# Altium PCB PCB Sheet01.PcbDoc (continued)
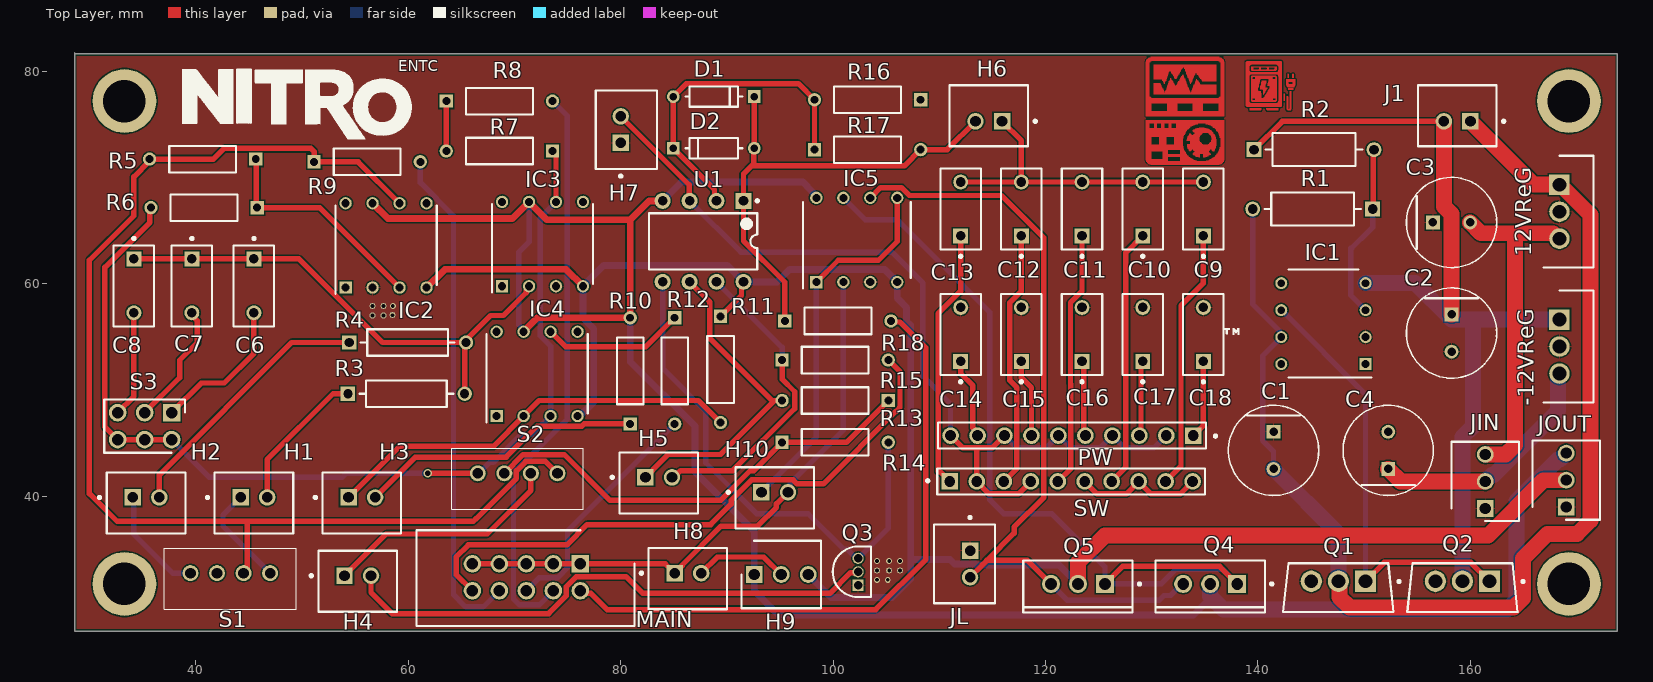
[diagram p0: Top Layer view]
## Part data (continued)
Q4: library part CMP-1048-01124-1, "Complementary Silicon Plastic Power Transistor, 3-Pin TO-220, Tube", Manufacturer="On Semiconductor", ComponentLink1Description="Manufacturer URL", ComponentLink1URL=http://www.onsemi.com/, ComponentLink2Description=Datasheet, ComponentLink2URL=http://www.onsemi.com/pub_link/Collateral/TIP31A-D.PDF, ComponentLink3Description="Package Specification", ComponentLink3URL=http://www.onsemi.com/pub_link/Collateral/221A-09.PDF, DatasheetVersion="Rev. 14", fT Min (MHz)=3, IC Continuous (A)=3, Mounting Technology="Through Hole", PackageDescription="3-Pin Flange Mount, Vertical Straight Lead, Body 9.97 x 4.445 mm, Pitch 2.54 mm", PackageReference=TO-220-3-221A-09, PackageVersion="Rev. AG, 09/2011", Packing=Tube, PartNumber=TIP31A, Polarity=NPN, RoHS=FALSE
Q5: library part CMP-1048-01079-1, "Complementary Silicon Plastic Power Transistor, 3-Pin TO-220, Tube", Manufacturer="On Semiconductor", ComponentLink1Description="Manufacturer URL", ComponentLink1URL=http://www.onsemi.com/, ComponentLink2Description=Datasheet, ComponentLink2URL=http://www.onsemi.com/pub_link/Collateral/TIP31A-D.PDF, ComponentLink3Description="Package Specification", ComponentLink3URL=http://www.onsemi.com/pub_link/Collateral/221A-09.PDF, DatasheetVersion="Rev. 14", fT Min (MHz)=3, IC Continuous (A)=3, Mounting Technology="Through Hole", PackageDescription="3-Pin Flange Mount, Vertical Straight Lead, Body 9.97 x 4.445 mm, Pitch 2.54 mm", PackageReference=TO-220-3-221A-09, PackageVersion="Rev. AG, 09/2011", Packing=Tube, PartNumber=TIP32A, Polarity=PNP, RoHS=FALSE
R1 R2: library part CMP-03212-000008-1, "RES 100K OHM 5% 1W AXIAL", Case/Package=Metal, Max Operating Temperature=155°C, Min Operating Temperature=-55°C, Number of Resistors=1, Package Quantity=5000, Power Rating=1W, Resistance=100kR, Resistor Type="Power resistor", Temperature Coefficient=300ppm/°C, Tolerance=5%, Voltage Rating=350V, Diameter=2.6mm, ELV=Compliant, Length=6.8mm, Mount=Axial, Number of Terminations=2, Packaging="Ammo Pack", RoHS Compliant=Yes, Series=RR, Termination=Axial
R3 R4: library part CMP-00030-41139779-1, "RLR07C7501GSB14 Res Metal Film 7.5K Ohm 2% 1/4W ±100ppm/°C 0.001% Conformal AXL Thru-Hole Bulk", Case/Package=Axial, Max Operating Temperature=150°C, Max Power Dissipation=250mW, Min Operating Temperature=-65°C, Resistance=7.5kΩ, Temperature Coefficient=100ppm/°C, Tolerance=2%, Voltage Rating=250V, Composition="Metal Film", Contact Plating="Lead, Tin", Diameter=2.29mm, Failure Rate=0.001%, Features="Military, Moisture Resistant, Weldable", Height=2.5mm, Lead Free="Contains Lead", Length=7.62mm, Military Standard=MIL-PRF-39017, Mount="Through Hole", NexarPartId=41139779, Number of Terminations=2, Packaging=Bulk, Power Rating=250mW, RoHS=Non-Compliant, Schedule B="8533210090, 8533210090", Termination=Axial, Voltage Rating (DC)=250V, Width=2.29mm
R5 R6 R7 R8 R9 R10 R11 R12 R13 R14 R15 R16 R17 R18: library part CMP-02408-000035-1, "RES 10K OHM 0.6W 1% AXIAL", Case/Package=Conformal, Max Operating Temperature=155°C, Max Power Dissipation=600mW, Min Operating Temperature=-55°C, Resistance=10kR, Resistance Tolerance=1%, Resistor Type="Metal Film", Temperature Coefficient=50ppm/°C, Voltage Rating=300V, Construction=Cylindrical, Contact Plating=Tin, Diameter=2.5mm, Features="Automotive AEC-Q200", Lead Free="Lead Free", Length=6.5mm, Military Standard=Not, Number of Terminations=2, Packaging="Tape and Reel", Power Rating=600mW, Radiation Hardening=No, RoHS Compliant=Yes, Series="MBB 0207 - Professional", Technology="THIN FILM", Termination=Axial, Tolerance=1%, Voltage Rating (DC)=300V
S1 S2: "Connector", Arrow Part Number=B4B-XH-A(LF)(SN), Manufacturer_Name="JST (JAPAN SOLDERLESS TERMINALS)", Arrow Price/Stock=https://www.arrow.com/en/products/b4b-xh-a-lf-sn/jst-manufacturing?region=europe, Datasheet Link=https://datasheet.lcsc.com/szlcsc/JST-Sales-America-B4B-XH-A-LF-SN_C144395.pdf, Height=7mm, Manufacturer_Part_Number=B4B-XH-A(LF)(SN)
S3: "Connector", Manufacturer_Name=SAMTEC, Mouser Part Number=200-HTSW10307TD, Arrow Part Number=HTSW-103-07-T-D, Arrow Price/Stock=https://www.arrow.com/en/products/htsw-103-07-t-d/samtec?region=nac, Datasheet Link=https://componentsearchengine.com/Datasheets/2/HTSW-103-07-T-D.pdf, Height=8.38mm, Manufacturer_Part_Number=HTSW-103-07-T-D, Mouser Price/Stock=https://www.mouser.co.uk/ProductDetail/Samtec/HTSW-103-07-T-D?qs=0lQeLiL1qyZ%2FnaT5YK%2Fi1w%3D%3D
U1: library part CMP-0017-00950-2, "Dual Low-Noise JFET-Input General-Purpose Operational Amplifier, 7 to 36 V, 0 to 70 degC, 8-pin DIP (P8), Pb-Free (RoHS)", Manufacturer="Texas Instruments", Rating=Catalog, Total Supply Voltage(Max)(+5V is 5, +/-5V is 10)=36, Total Supply Voltage(Min)(+5V is 5, +/-5V is 10)=7, CMRR(Min)(dB)=70, Code_JEDEC=MS-001, ComponentLink1Description="Manufacturer URL", ComponentLink1URL=http://www.ti.com/, ComponentLink2Description=Datasheet, ComponentLink2URL=http://www.ti.com/lit/ds/symlink/tl072.pdf, ComponentLink3Description="Package Specification", ComponentLink3URL=http://www.ti.com/litv/pdf/mpdi001b, DatasheetVersion=SLOS080J, Eco-Plan="Pb-Free (RoHS)", GBW(Typ)(MHz)=3, IIB(Max)(pA)=200, Iq per channel(Max)(mA)=2.5, Mounting Technology="Through Hole", Number of Channels=2, Offset Drift(Typ)(uV/C)=18, PackageDescription="8-Pin Plastic In-Line, Body 9.59 x 6.35 mm, Pitch 2.54 mm", PackageReference=P0008A, PackageVersion="4040082/E, 04/2010", PartNumber=TL072CP, Slew Rate(Typ)(V/us)=13, Sub Family="General Purpose Amplifier, High Supply Voltage Amplifier (>=30V)", Vio (25C)(Max)(mV)=10, Vn at 1kHz(Typ)(nV/rtHz)=18

## Free pads (board coordinates)
  round 6 hole 4: 2(33.274,31.75) 2(33.274,77.216) 2(169.291,31.75) 2(169.291,77.216)

## Via types
v1: diameter 0.55, hole 0.35, Top Layer to Bottom Layer, 13 vias
v2: diameter 0.55, hole 0.35, Top Layer to Bottom Layer, tented top, 1 vias
v3: diameter 0.8, hole 0.5, Top Layer to Bottom Layer, 1 vias

## Nets (pads, with @x,y where several pads share a name; then routed paths per layer and width w, separated by ;. In a path a pad name is that pad's centre, name@x,y a point inside that pad or via, vN(x,y) a via of type N, cw(c..) or ccw(c..) an arc to the next point about the centre after c; other vN are vias at no path point)
+VCC: H9.1 IC2.7 IC3.7 IC4.7 IC5.8 JOUT.3 Q4.2 R10.2 U1.4 | length 200.2
  Top Layer w0.65: IC2.7 58.072,66.167 69.817,66.167 IC3.7 73.058,66.04 80.899,66.04 ; IC4.7 72.183,56.816 R10.2 80.899,66.04 ; U1.4@83.919,67.818 82.677,67.818 80.899,66.04
  Bottom Layer w0.508: IC4.7 70.866,55.675 70.413,56.128 70.413,62.986 71.374,63.947 IC3.7
  Bottom Layer w0.65: R10.2 80.899,52.705 86.995,46.609 86.995,42.291 92.583,36.703 H9.1 92.583,31.089 94.843,28.829 133.934,28.829 135.077,29.972 135.509,29.972 ; U1.4 85.725,69.596 97.155,69.596 97.582,69.169 97.582,69.125 98.425,68.281 IC5.8
  Bottom Layer w1.5: Q4.2 135.509,30.607 136.779,29.337 163.459,29.337 164.338,30.216 164.338,39.56 168.237,43.459 168.427,43.459 JOUT.3
+VCCIN: 12VReG.3 C3.2 JIN.3 | length 32.1
  Top Layer w1.5: C3.2 161.008,64.77 164.211,64.77 ; JIN.3 163.332,43.942 164.211,44.821 164.211,64.77 ; 12VReG.3 168.284,64.262 167.776,64.77 164.211,64.77
-VCC: H9.3 IC2.4 IC3.4 IC4.4 IC5.4 JOUT.2 Q5.2 R11.1 U1.8 | length 173.2
  Top Layer w0.508: R11.1 91.377,58.912 91.377,60.008 U1.8
  Top Layer w0.65: IC2.4 63.445,61.38 74.858,61.38 IC3.4
  Top Layer w1.5: Q5.2@123.063,31.804 123.063,33.782 125.587,36.306 161.676,36.306 166.885,41.515 169.023,41.515 JOUT.2
  Bottom Layer w0.65: IC4.4 76.122,47.559 76.781,48.218 76.826,48.218 77.47,48.862 77.47,55.753 76.454,56.769 IC3.4 78.392,61.722 90.043,61.722 U1.8 94.742,60.198 95.885,61.341 104.869,61.341 IC5.4 106.045,58.674 106.934,57.785 106.934,56.461 107.315,56.08 107.315,34.036 ; H9.3 99.822,30.48 105.537,30.48 107.315,32.258 107.315,34.036 ; Q5.2 121.285,33.528 113.495,33.528 113.411,33.612 111.422,33.612 110.998,34.036 107.315,34.036
-VCCIN: -12VReG.3 C4.1 JIN.2 | length 22.8
  Top Layer w1.5: C4.1 153.444,41.402 JIN.2
  Bottom Layer w1.5: JIN.2 162.026,42.011 162.217,42.011 168.275,48.07 168.275,51.435 -12VReG.3
GND: 12VReG.2 -12VReG.2 C1.1 C2.2 C3.1 C4.2 C14.2 C15.2 C16.2 C17.2 C18.2 H7.1 IC1.2 IC2.2 IC3.3 IC5.3 JIN.1 JL.1 JOUT.1 Q1.3 Q2.3 Q3.1 R16.1
  other v1: 104.14,32.131 105.156,32.131 104.14,33.02 105.283,33.02 106.299,33.02 104.14,33.909 105.283,33.909 106.299,33.909 56.642,57.023 57.658,57.023 58.511,57.059 57.658,57.912 58.547,57.912
  other v2: 56.642,57.912
Net12VReG_1: 12VReG.1 C1.2 IC1.7 J1.1 Q1.2 R1.2 | length 114.7
  Top Layer w1.5: Q1.2 147.679,31.909 147.679,30.502 148.636,29.545 164.094,29.545 164.973,30.424 164.973,34.163 167.259,36.449 170.053,36.449 171.323,37.719 171.323,66.49 168.688,69.124 168.62,69.124 12VReG.1 165.989,69.342 J1.1
  Bottom Layer w0.508: R1.2 139.511,58.101 142.088,55.524 142.088,55.11 IC1.7 140.447,53.231 140.447,45.265 141.478,44.234 C1.2
  Bottom Layer w1.5: C1.2 147.584,36.467 Q1.2
Net-12VReg_1: -12VReG.1 C2.1 IC1.4 J1.2 Q2.2 R2.1 | length 82.2
  Top Layer w0.508: R2.1 142.305,75.311 J1.2
  Top Layer w1.5: J1.2 157.52,67.298 158.242,66.576 C2.1
  Bottom Layer w1.5: IC1.4 154.813,60.071 158.002,56.882 158.242,56.642 160.274,56.642 ; Q2.2 159.268,45.603 160.274,46.609 160.274,56.642 ; -12VReG.1 160.274,56.642
Net\MAIN_1: H8.1 H10.2 IC5.2 MAIN.1 MAIN.3 MAIN.5 MAIN.7 MAIN.9 | length 55.9
  Top Layer w0.508: MAIN.9 MAIN.7 MAIN.5 MAIN.3 MAIN.1 84.195,33.649 85.323,32.521 85.323,33.011 85.786,33.475 85.786,33.508 89.469,37.191 92.907,37.191 94.664,38.948 94.664,39.292 H10.2
  Bottom Layer w0.508: H10.2 95.957,40.585 95.957,41.22 100.965,46.228 IC5.2
NetC6_1: C6.1 C7.1 C8.1 IC3.2 R3.2 R4.2 | length 47.8
  Top Layer w0.508: C8.1 C7.1 C6.1 49.703,62.357 57.577,54.483 R4.2 65.444,54.711 67.756,57.023 68.961,57.023 71.107,59.169 71.107,59.341 71.374,59.608 IC3.2 ; R3.2 R4.2@65.317,54.483
NetC6_2: C6.2 S3.1 | length 13.9
  Top Layer w0.508: S3.1 40.513,50.673 42.672,50.673 45.466,53.467 C6.2
NetC7_2: C7.2 S3.3 | length 11.7
  Top Layer w0.508: S3.3 38.481,51.181 38.481,52.825 40.132,54.476 40.132,56.528 39.624,57.036 C7.2
NetC8_2: C8.2 S3.5 | length 10
  Top Layer w0.508: S3.5 34.163,49.403 C8.2
NetC9_1: C9.1 SW.9 | length 24.6
  Top Layer w0.508: SW.9 132.76,42.844 132.76,57.957 134.874,60.071 C9.1
NetC9_2: C9.2 C10.2 C11.2 C12.2 C13.2 H6.1 | length 29.6
  Top Layer w0.508: C13.2 C12.2 ; H6.1 117.729,73.493 C12.2 ; C9.2 C10.2 C11.2 C12.2
  Bottom Layer w0.508: C10.2@128.918,69.85 C10.2@129.159,69.85
NetC10_1: C10.1 SW.7 | length 24.3
  Top Layer w0.508: SW.7 127.577,42.741 127.577,62.934 C10.1
NetC11_1: C11.1 SW.5 | length 24.1
  Top Layer w0.508: SW.5 122.388,42.632 122.388,50.563 122.363,50.588 122.363,58.233 123.444,59.314 C11.1
NetC12_1: C12.1 SW.3 | length 24.3
  Top Layer w0.508: SW.3 117.308,42.632 117.308,50.246 116.648,50.905 116.648,58.233 117.729,59.314 C12.1
NetC13_1: C13.1 SW.1 | length 24.5
  Top Layer w0.508: SW.1 110.109,42.291 109.982,42.291 109.9,42.373 109.9,57.199 112.014,59.314 C13.1
NetC14_1: C14.1 PW.9 | length 7.6
  Top Layer w0.508: C14.1 112.035,52.684 112.035,51.541 113.157,50.419 113.157,46.453 113.604,46.006 PW.9
NetC15_1: C15.1 PW.7 | length 7.4
  Top Layer w0.508: C15.1 117.729,51.181 118.684,50.226 PW.7
NetC16_1: C16.1 PW.5 | length 7.1
  Top Layer w0.508: C16.1 123.604,52.545 123.604,45.88 PW.5
NetC17_1: C17.1 PW.3 | length 7.1
  Top Layer w0.508: PW.3 129.001,45.878 129.001,52.547 C17.1
NetC18_1: C18.1 PW.1 | length 7.4
  Top Layer w0.508: PW.1 134.874,46.67 C18.1
NetD1_1: D1.1 D2.2 H6.2 R17.2 R18.1 U1.1 | length 45.9
  Top Layer w0.508: 92.533,71.12 92.533,72.718 D2.2 D1.1 ; R18.1 95.457,60.159 91.567,64.049 U1.1 91.567,70.358 92.329,71.12 92.583,71.12 106.727,71.12 R17.2 110.744,72.644 H6.2
NetD1_2: D1.2 D2.1 R16.2 R17.1 U1.2 | length 30.6
  Top Layer w0.508: U1.2 88.837,68.008 88.837,68.894 D2.1 D1.2 86.189,78.867 96.727,78.867 R16.2 R17.1
NetH1_1: H1.1 S1.1 | length 9.7
  Bottom Layer w0.508: H1.1 42.552,38.231 42.552,37.209 S1.1@46.993,32.768
NetH1_2: H1.2 R3.1 | length 13.7
  Top Layer w0.508: H1.2 46.716,43.453 52.92,49.657 R3.1
NetH2_1: H2.1 S1.4 | length 10.4
  Bottom Layer w0.508: H2.1 34.156,39.795 34.156,36.411 37.799,32.768 S1.4@39.493,32.768
NetH2_2: H2.2 R4.1 | length 25.2
  Top Layer w0.508: H2.2 36.556,42.017 49.022,54.483 R4.1
NetH3_1: H3.1 IC4.2 R11.2 | length 39.7
  Top Layer w0.508: H3.1 59.185,44.704 68.011,44.704 IC4.2 72.329,49.022 87.329,49.022 R11.2
NetH3_2: H3.2 R10.1 | length 26.9
  Top Layer w0.508: H3.2 60.669,43.688 69.215,43.688 72.125,46.598 76.344,46.598 76.562,46.816 R10.1
NetH4_1: H4.1 S2.2 | length 22.5
  Top Layer w0.508: H4.1 57.915,36.449 67.437,36.449 71.548,40.56 S2.2
NetH4_2: H4.2 Q3.2 | length 51.7
  Top Layer w0.508: H4.2 56.495,30.941 58.48,28.956 73.213,28.956 74.866,30.609 74.866,31.48 75.828,32.443 80.503,32.443 82.085,30.861 99.695,30.861 101.642,32.808 102.277,32.808 Q3.2
NetH5_1: H5.1 R13.2 U1.6 | length 30.5
  Top Layer w0.508: H5.1 83.045,42.492 83.045,42.525 84.462,43.942 89.408,43.942 94.488,49.022 ; U1.6 88.402,58.283 88.402,54.854 94.234,49.022 R13.2
NetH5_2: H5.2 R15.1 U1.7 | length 29.2
  Top Layer w0.508: H5.2 85.02,41.783 85.655,42.418 90.551,42.418 96.393,48.26 96.393,49.846 95.203,51.036 R15.1
  Bottom Layer w0.508: U1.7 95.203,54.022 R15.1
NetH7_2: H7.2 PW.2 PW.4 PW.6 PW.8 PW.10 SW.2 SW.4 SW.6 SW.8 SW.10 U1.3 | length 96.8
  Top Layer w0.508: H7.2 86.459,69.33 86.459,67.846 U1.3 ; PW.10 112.228,44.556 113.432,44.556 ; PW.8 114.98,44.556 113.432,44.556 ; SW.4 117.454,40.238 114.702,40.238 SW.2 113.538,44.45 113.432,44.556 ; SW.6 124.862,40.238 127.614,40.238 SW.8 129.942,40.238 132.694,40.238 SW.10
  Bottom Layer w0.508: U1.3 91.313,62.992 105.537,62.992 108.458,60.071 108.458,51.321 111.064,48.716 PW.10 ; PW.8 117.308,44.556 120.06,44.556 PW.6 122.388,44.556 125.14,44.556 PW.4 127.468,44.556 130.22,44.556 PW.2
NetH8_2: H8.2 H9.2 | length 8.9
  Top Layer w0.508: H8.2 89.101,34.29 93.472,34.29 H9.2
NetH10_1: H10.1 IC5.1 IC5.5 | length 35.6
  Top Layer w0.508: IC5.1 100.49,62.23 104.267,62.23 106.045,64.008 IC5.5
  Bottom Layer w0.508: H10.1 93.43,40.214 93.759,40.543 93.759,40.927 98.425,45.593 IC5.1
NetIC1_3: IC1.3 R1.1 R2.2 | length 16.6
  Top Layer w0.508: R1.1 150.874,67.12 150.874,72.581 R2.2
  Bottom Layer w0.508: IC1.3 148.761,58.917 148.761,63.373 148.844,63.373 150.495,65.024 150.513,65.024 150.811,65.322 R1.1
NetIC1_6: IC1.6 Q1.1 Q2.1 | length 42
  Top Layer w0.508: Q1.1 151.912,33.782 160.04,33.782 Q2.1
  Bottom Layer w0.508: IC1.6 150.134,49.604 Q1.1
NetIC2_3: IC2.3 R5.1 R6.1 | length 21.2
  Top Layer w0.508: R5.1 45.703,71.691 45.703,67.246 R6.1 51.656,67.183 IC2.3
NetIC4_6: IC4.6 R12.1 | length 13.4
  Top Layer w0.508: IC4.6 74.803,54.102 82.376,54.102 R12.1
NetIC5_6: IC5.6 JL.2 Q4.3 Q5.3 | length 74.4
  Top Layer w0.508: IC5.6 104.466,69.066 106.443,69.066 107.183,68.326 115.858,68.326 119.848,64.336 119.848,39.896 117.055,37.104 117.055,36.537 114.486,33.968 ; JL.2 114.059,33.541 114.486,33.968 ; Q5.3 118.305,33.968 114.486,33.968
  Bottom Layer w0.508: Q5.3@120.356,31.917 122.047,30.226 130.738,30.226 131.169,30.657 131.782,30.657 132.876,31.75 Q4.3
NetIC5_7: IC5.7 Q4.1 Q5.1 | length 78.4
  Top Layer w0.508: Q5.1 127.254,33.401 136.398,33.401 Q4.1
  Bottom Layer w0.508: IC5.7 103.012,66.058 106.027,66.058 114.768,57.317 114.768,39.664 116.078,38.354 120.611,38.354 125.603,33.362 Q5.1 130.893,31.75 132.29,33.147 136.652,33.147 Q4.1
NetQ3_3: Q3.3 R14.2 U1.5 | length 48.9
  Bottom Layer w0.508: U1.5 83.947,52.07 88.011,48.006 88.011,43.16 92.817,38.354 97.663,38.354 101.018,34.999 101.38,34.999 102.215,34.163 Q3.3 105.203,37.004 R14.2
NetR7_2: R7.2 R8.1 | length 4.7
  Top Layer w0.508: R7.2@63.58,72.551 R8.1
NetR13_1: R13.1 R14.1 S2.3 | length 42.6
  Top Layer w0.508: S2.3 69.05,42.164 70.816,43.93 74.688,43.93 78.994,39.624 89.408,39.624 92.202,42.418 92.536,42.418 R14.1 101.266,45.085 R13.1
PWM: MAIN.6 R12.2 | length 22.5
  Bottom Layer w0.508: MAIN.6 72.326,32.315 74.032,32.315 74.994,33.277 74.994,36.72 R12.2
"SAW TOOTH": MAIN.10 R15.2 | length 56.9
  Top Layer w0.508: MAIN.10 64.516,32.633 64.516,34.29 65.659,35.433 74.929,35.433 76.834,37.338 88.465,37.338 90.395,39.268 90.395,39.612 92.325,41.542 96.237,41.542 96.601,41.178 99.09,41.178 105.928,48.016 105.986,48.016 106.209,48.239 106.209,48.297 106.299,48.387 106.299,51.736 R15.2
SIN: MAIN.2 R18.2 | length 59.5
  Top Layer w0.508: MAIN.2 76.419,30.89 77.17,30.89 78.723,29.337 104.013,29.337 108.738,34.062 108.738,53.986 106.306,56.418 105.554,56.418 R18.2
SQUARE: MAIN.8 R9.2 | length 47.5
  Bottom Layer w0.508: R9.2 61.134,69.544 64.261,66.417 64.261,30.735 65.405,29.591 67.062,29.591 MAIN.8
"SQUARE -> SAW TOOTH": IC2.6 R5.2 R9.1 S1.2 S2.1 | length 114.4
  Top Layer w0.508: S1.2@44.493,32.768 44.493,33.036 44.831,33.374 44.831,37.584 ; R9.1@51.168,71.912 R9.1@51.579,71.501 ; IC2.6 55.278,71.501 R9.1@51.579,71.501 ; 66.119,37.635 32.596,37.635 29.972,40.259 29.972,62.23 34.163,66.421 34.163,70.077 35.64,71.554 R5.2 41.656,71.755 42.662,72.761 50.836,72.761 51.134,72.463 R9.1 R9.1@51.579,71.501 ; 66.155,37.671 66.358,37.874 70.179,41.696 70.179,42.395 71.08,43.295 72.917,43.295 S2.1
TRANGULAR: MAIN.4 R8.2 | length 54.1
  Bottom Layer w0.508: R8.2 74.985,75.811 74.985,47.299 70.179,42.493 70.179,41.696 69.914,41.431 69.914,30.347 70.477,29.785 72.336,29.785 MAIN.4
"TRANGULAR -> PWM": IC3.6 IC4.3 R6.2 R7.1 S2.4 S3.2 S3.4 S3.6 | length 95.1
  Top Layer w0.508: R6.2 35.663,67.079 35.663,65.796 31.433,61.566 31.433,46.545 S3.6 S3.4 S3.2 ; v3(61.849,42.164) S2.4 ; R7.1 73.914,72.183 IC3.6
  Bottom Layer w0.508: S3.2@37.551,45.507 41.275,41.783 53.745,41.783 54.126,42.164 v3(61.849,42.164) ; S2.4 66.61,42.164 67.648,43.202 68.007,43.202 70.663,45.858 71.705,45.858 IC4.3 73.406,54.14 72.445,55.101 72.445,66.255 IC3.6
pads on no net: IC1.1 IC1.5 IC1.8 IC2.1 IC2.5 IC2.8 IC3.1 IC3.5 IC3.8 IC4.1 IC4.5 IC4.8 S1.3

## Polygon pours and split planes (outlines as drawn)
GND on Bottom Layer "GND_L02_P001" (solid, pour order 1): 28.575,81.788 28.702,81.661 173.863,81.661 173.863,27.305 28.575,27.305
GND on Top Layer "GND_L01_P000" (solid, pour order 0): 28.575,81.788 28.702,81.661 173.863,81.661 173.863,27.305 28.575,27.305

## Other copper
Top Layer:
  region: 143.383,79.654 143.383,79.406 143.259,79.406 143.259,79.748 143.29,79.748 143.29,79.779 143.352,79.779 143.352,79.748 143.383,79.748 143.383,79.685
  region: 141.738,80.431 141.769,80.431 141.769,80.151 141.738,80.151 141.738,80.12 141.707,80.12 141.707,80.089 139.44,80.089 139.44,80.12 139.378,80.12 139.378,80.431 139.409,80.431 139.409,80.462 141.738,80.462 hole: 140.775,80.368 140.372,80.368 140.372,80.337 140.341,80.337 140.341,80.306 140.31,80.306 140.31,80.244 140.341,80.244 140.341,80.213 140.806,80.213 140.806,80.275 140.837,80.275 140.837,80.306 140.806,80.306 140.806,80.337 140.775,80.337 hole: 140.03,80.368 139.658,80.368 139.658,80.337 139.596,80.337 139.596,80.244 139.627,80.244 139.627,80.213 140.061,80.213 140.061,80.244 140.092,80.244 140.092,80.337 140.03,80.337 hole: 141.489,80.368 141.117,80.368 141.117,80.337 141.055,80.337 141.055,80.306 141.055,80.244 141.086,80.244 141.086,80.213 141.52,80.213 141.52,80.244 141.551,80.244 141.551,80.337 141.489,80.337
  region: 143.01,78.288 142.855,78.288 142.855,78.413 143.352,78.413 143.352,78.288 143.042,78.288
  region: 139.223,76.395 139.223,76.55 140.341,76.55 140.341,76.457 140.31,76.457 140.31,76.395 140.279,76.395 140.279,76.364 140.248,76.364 140.248,76.333 139.254,76.333 139.254,76.364 139.223,76.364
  region: 140.744,78.226 140.744,78.195 140.713,78.195 140.713,78.133 140.682,78.133 140.682,78.071 140.651,78.071 140.651,78.009 140.62,78.009 140.62,77.978 140.589,77.978 140.589,77.916 140.558,77.916 140.558,77.854 140.527,77.854 140.527,77.823 140.496,77.823 140.496,78.288 140.465,78.288 140.465,78.319 140.434,78.319 140.434,78.351 140.216,78.351 140.216,78.444 140.248,78.444 140.248,78.599 140.279,78.599 140.279,78.723 140.31,78.723 140.31,78.847 140.341,78.847 140.341,78.971 140.372,78.971 140.372,79.127 140.806,79.127 140.806,79.002 140.775,79.002 140.775,78.909 140.744,78.909 140.744,78.785 140.713,78.785 140.713,78.661 140.682,78.661 140.682,78.568 140.651,78.568 140.651,78.537 140.682,78.537 140.682,78.475 140.899,78.475 140.899,78.444 140.868,78.444 140.868,78.382 140.837,78.382 140.837,78.351 140.806,78.351 140.806,78.288 140.775,78.288 140.775,78.226
  region: 142.514,77.233 142.421,77.233 142.421,77.916 142.545,77.916 142.545,77.233
  region: 142.731,77.388 142.731,77.512 142.7,77.512 142.7,77.668 142.824,77.668 142.824,77.637 142.855,77.637 142.855,76.488 142.886,76.488 142.886,76.457 142.979,76.457 142.979,76.488 143.01,76.488 143.01,78.133 143.166,78.133 143.166,76.488 143.135,76.488 143.135,76.426 143.104,76.426 143.104,76.364 143.042,76.364 143.042,76.333 142.824,76.333 142.824,76.364 142.793,76.364 142.793,76.395 142.762,76.395 142.762,76.426 142.731,76.426 142.731,77.357
  region: 142.917,79.468 142.917,79.406 142.793,79.406 142.793,79.748 142.824,79.748 142.824,79.779 142.886,79.779 142.886,79.748 142.917,79.748 142.917,79.499
  region: 141.738,76.55 141.924,76.55 141.924,76.364 141.893,76.364 141.893,76.333 140.868,76.333 140.868,76.395 140.837,76.395 140.837,76.457 140.806,76.457 140.806,76.519 140.775,76.519 140.775,76.55 141.707,76.55
  region: 19 vertices and 5 holes, not listed, extent 139.378,77.171 141.769,79.592
  region: 142.203,80.927 142.234,80.927 142.234,80.896 142.265,80.896 142.265,76.767 142.234,76.767 142.234,76.736 142.203,76.736 142.203,76.705 142.141,76.705 142.141,76.674 139.006,76.674 139.006,76.705 138.944,76.705 138.944,76.736 138.913,76.736 138.913,76.767 138.882,76.767 138.882,80.896 138.913,80.896 138.913,80.927 138.944,80.927 138.944,80.958 142.203,80.958 hole: 141.769,79.716 139.378,79.716 139.378,79.685 139.316,79.685 139.316,79.654 139.285,79.654 139.285,79.623 139.254,79.623 139.254,79.561 139.223,79.561 139.223,77.233 139.254,77.233 139.254,77.171 139.285,77.171 139.285,77.109 139.316,77.109 139.316,77.078 139.378,77.078 139.378,77.047 141.769,77.047 141.769,77.078 141.8,77.078 141.8,77.109 141.862,77.109 141.862,77.171 141.893,77.171 141.893,77.233 141.924,77.233 141.924,79.53 141.893,79.53 141.893,79.592 141.862,79.592 141.862,79.654 141.831,79.654 141.831,79.685 141.769,79.685 hole: 141.738,80.617 139.409,80.617 139.409,80.586 139.347,80.586 139.347,80.555 139.316,80.555 139.316,80.524 139.285,80.524 139.285,80.493 139.254,80.493 139.254,80.431 139.223,80.431 139.223,80.12 139.254,80.12 139.254,80.058 139.285,80.058 139.285,80.027 139.316,80.027 139.316,79.996 139.378,79.996 139.378,79.965 141.769,79.965 141.769,79.996 141.831,79.996 141.831,80.027 141.862,80.027 141.862,80.089 141.893,80.089 141.893,80.151 141.924,80.151 141.924,80.431 141.893,80.431 141.893,80.493 141.862,80.493 141.862,80.524 141.831,80.524 141.831,80.555 141.8,80.555 141.8,80.586 141.738,80.586
  region: 143.507,78.692 143.476,78.692 143.476,78.63 143.445,78.63 143.445,78.599 143.414,78.599 143.414,78.537 142.793,78.537 142.793,78.568 142.762,78.568 142.762,78.599 142.731,78.599 142.731,78.661 142.7,78.661 142.7,78.692 142.669,78.692 142.669,79.282 143.507,79.282 hole: 143.259,79.002 142.948,79.002 142.948,78.971 142.917,78.971 142.917,78.878 142.979,78.878 142.979,78.847 143.228,78.847 143.228,78.878 143.259,78.878
  region: 130.795,79.253 130.18,79.253 130.18,80.65 136.103,80.65 136.103,79.085 134.762,79.085 134.762,79.197 134.706,79.197 134.706,79.253 134.65,79.253 134.65,79.309 134.595,79.309 134.595,79.421 134.539,79.421 134.539,79.477 134.483,79.477 134.483,79.532 134.427,79.532 134.427,79.644 134.371,79.644 134.371,79.7 134.315,79.7 134.315,79.756 134.259,79.756 134.259,79.868 134.203,79.868 134.203,79.924 134.148,79.924 134.148,79.868 134.092,79.868 134.092,79.756 134.036,79.756 134.036,79.644 133.98,79.644 133.98,79.477 133.924,79.477 133.924,79.365 133.868,79.365 133.868,79.253 133.812,79.253 133.812,79.085 133.756,79.085 133.756,78.974 133.701,78.974 133.701,78.862 133.645,78.862 133.645,78.974 133.589,78.974 133.589,79.141 133.533,79.141 133.533,79.253 133.477,79.253 133.477,79.421 133.421,79.421 133.421,79.532 133.365,79.532 133.365,79.7 133.309,79.7 133.309,79.812 133.253,79.812 133.253,79.98 133.198,79.98 133.198,80.091 133.142,80.091 133.142,80.259 133.086,80.259 133.086,80.371 133.03,80.371 133.03,80.482 132.974,80.482 132.974,80.427 132.918,80.427 132.918,80.371 132.862,80.371 132.862,80.259 132.806,80.259 132.806,80.147 132.751,80.147 132.751,80.035 132.695,80.035 132.695,79.98 132.639,79.98 132.639,79.868 132.583,79.868 132.583,79.756 132.527,79.756 132.527,79.644 132.471,79.644 132.471,79.588 132.415,79.588 132.415,79.477 132.359,79.477 132.359,79.365 132.304,79.365 132.304,79.309 132.192,79.309 132.192,79.421 132.136,79.421 132.136,79.532 132.08,79.532 132.08,79.588 132.024,79.588 132.024,79.7 131.968,79.7 131.968,79.812 131.912,79.812 131.912,79.868 131.856,79.868 131.856,79.98 131.801,79.98 131.801,80.091 131.745,80.091 131.745,80.147 131.689,80.147 131.689,80.035 131.633,80.035 131.633,79.924 131.577,79.924 131.577,79.756 131.521,79.756 131.521,79.588 131.465,79.588 131.465,79.477 131.409,79.477 131.409,79.309 131.354,79.309 131.354,79.141 131.298,79.141 131.298,79.03 131.242,79.03 131.242,78.862 131.186,78.862 131.186,78.918 131.13,78.918 131.13,79.03 131.074,79.03 131.074,79.141 131.018,79.141 131.018,79.253 130.851,79.253
  region: 130.18,78.638 130.18,78.918 130.795,78.918 130.795,78.806 130.851,78.806 130.851,78.694 130.907,78.694 130.907,78.583 130.962,78.583 130.962,78.471 131.018,78.471 131.018,78.359 131.074,78.359 131.074,78.247 131.13,78.247 131.13,78.135 131.186,78.135 131.186,78.024 131.298,78.024 131.298,78.191 131.354,78.191 131.354,78.303 131.409,78.303 131.409,78.471 131.465,78.471 131.465,78.638 131.521,78.638 131.521,78.75 131.577,78.75 131.577,78.918 131.633,78.918 131.633,79.085 131.689,79.085 131.689,79.197 131.745,79.197 131.745,79.365 131.801,79.365 131.801,79.309 131.856,79.309 131.856,79.197 131.912,79.197 131.912,79.141 131.968,79.141 131.968,79.03 132.024,79.03 132.024,78.918 132.08,78.918 132.08,78.862 132.136,78.862 132.136,78.75 132.192,78.75 132.192,78.638 132.248,78.638 132.248,78.583 132.304,78.583 132.304,78.694 132.359,78.694 132.359,78.75 132.415,78.75 132.415,78.862 132.471,78.862 132.471,78.974 132.527,78.974 132.527,79.085 132.583,79.085 132.583,79.141 132.639,79.141 132.639,79.253 132.695,79.253 132.695,79.365 132.751,79.365 132.751,79.477 132.806,79.477 132.806,79.532 132.862,79.532 132.862,79.644 132.918,79.644 132.918,79.7 132.974,79.7 132.974,79.588 133.03,79.588 133.03,79.421 133.086,79.421 133.086,79.309 133.142,79.309 133.142,79.141 133.198,79.141 133.198,79.03 133.253,79.03 133.253,78.862 133.309,78.862 133.309,78.75 133.365,78.75 133.365,78.583 133.421,78.583 133.421,78.471 133.477,78.471 133.477,78.303 133.533,78.303 133.533,78.191 133.589,78.191 133.589,78.024 133.645,78.024 133.645,77.968 133.701,77.968 133.701,78.08 133.756,78.08 133.756,78.247 133.812,78.247 133.812,78.359 133.868,78.359 133.868,78.471 133.924,78.471 133.924,78.638 133.98,78.638 133.98,78.75 134.036,78.75 134.036,78.862 134.092,78.862 134.092,79.03 134.148,79.03 134.148,79.141 134.203,79.141 134.203,79.253 134.259,79.253 134.259,79.197 134.315,79.197 134.315,79.141 134.371,79.141 134.371,79.03 134.427,79.03 134.427,78.974 134.483,78.974 134.483,78.918 134.539,78.918 134.539,78.806 134.595,78.806 134.595,78.75 136.103,78.75 136.103,77.856 130.18,77.856 130.18,78.583
  region: 136.383,81.321 136.55,81.321 136.55,81.265 136.606,81.265 136.606,81.209 136.662,81.209 136.662,81.153 136.718,81.153 136.718,81.097 136.774,81.097 136.774,80.929 136.83,80.929 136.83,75.789 129.454,75.789 129.454,80.929 129.51,80.929 129.51,81.097 129.565,81.097 129.565,81.153 129.621,81.153 129.621,81.209 129.677,81.209 129.677,81.265 129.733,81.265 129.733,81.321 129.901,81.321 129.901,81.377 136.383,81.377 hole: 136.271,76.962 134.874,76.962 134.874,76.291 136.271,76.291 hole: 133.812,76.962 132.471,76.962 132.471,76.291 133.812,76.291 hole: 131.409,76.962 130.012,76.962 130.012,76.291 131.409,76.291 hole: 136.271,80.985 130.012,80.985 130.012,80.929 129.901,80.929 129.901,80.818 129.845,80.818 129.845,77.688 129.901,77.688 129.901,77.633 129.957,77.633 129.957,77.577 130.012,77.577 130.012,77.521 136.271,77.521 136.271,77.577 136.327,77.577 136.327,77.633 136.383,77.633 136.383,77.688 136.439,77.688 136.439,80.818 136.383,80.818 136.383,80.929 136.271,80.929
  region: 173 vertices and 1 holes, not listed, extent 133.309,71.933 136.103,74.727
  region: 29 vertices and 10 holes, not listed, extent 129.454,71.206 136.83,75.397

## Silkscreen, mask and mechanical layers (free items; w line width, h text height)
Top Overlay:
  drawing of 7 lines, arcs and shapes, not listed
  text "ENTC" at 59.055,80.01 h1.02